# Altium PCB PCB2.PcbDoc (part 2 of 2)
Units mm, origin at the board's own origin, x right, y up, seen from the top; angles counter-clockwise.
Board outline 426.42 x 149.73 mm, 2 copper layers (Top Layer, Bottom Layer); 144 components, 61 nets, 325 pads, 1550 vias.
Unrouted connection lines stored in the file: 2.
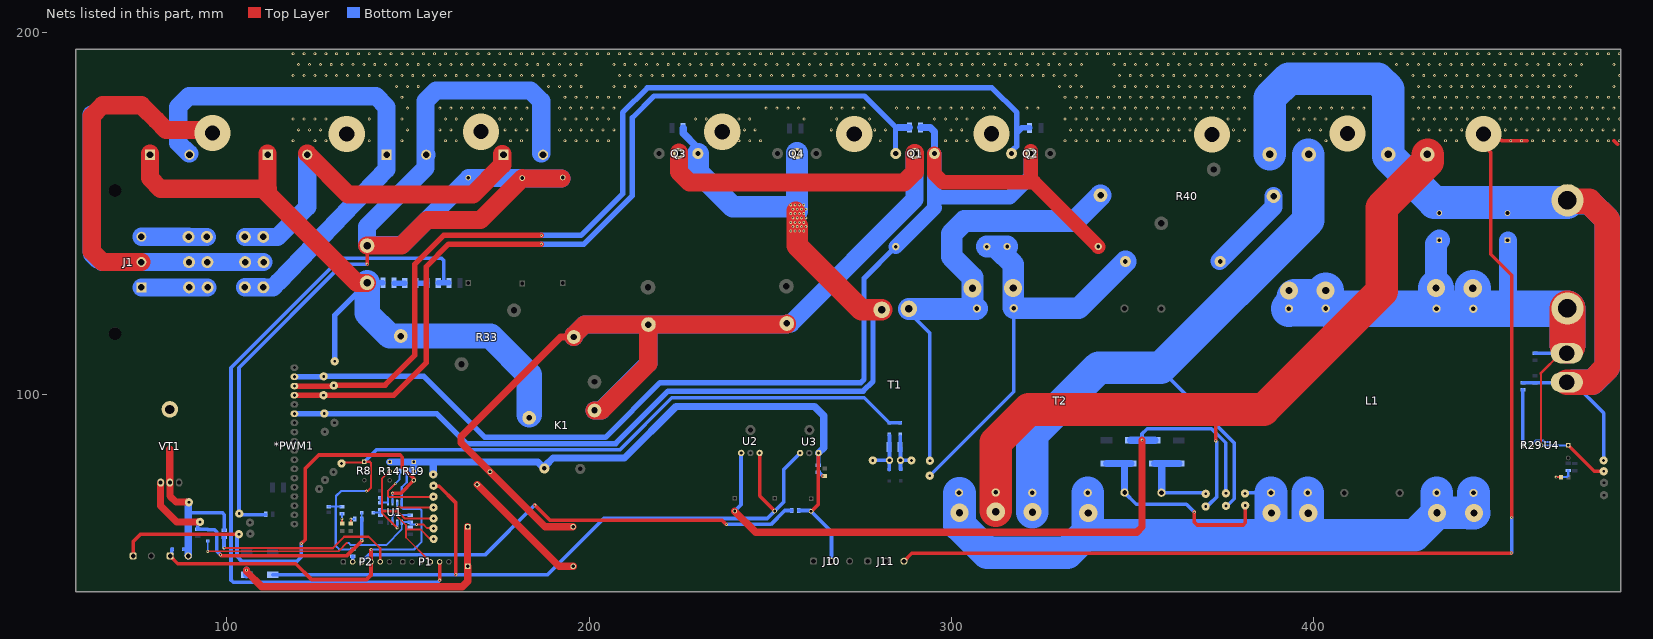
[diagram p2: the nets of this part, all layers, seen from the top]

## Via types
v1: diameter 0.8, hole 0.4, Top Layer to Bottom Layer, tented both sides, 1515 vias
v2: diameter 5, hole 2, Top Layer to Bottom Layer, 14 vias
v3: diameter 10, hole 4.2, Top Layer to Bottom Layer, 9 vias
v4: diameter 6, hole 4.2, Top Layer to Bottom Layer, 8 vias
v5: diameter 4, hole 3, Top Layer to Bottom Layer, tented both sides, 4 vias

## Nets (pads, with @x,y where several pads share a name; then routed paths per layer and width w, separated by ;. In a path a pad name is that pad's centre, name@x,y a point inside that pad or via, vN(x,y) a via of type N, cw(c..) or ccw(c..) an arc to the next point about the centre after c; other vN are vias at no path point) (continued)
Net*PWM1_13: *PWM1.13 Q3.3 Q4.2 R9.1 T1.1 TP11.1 | length 292.3
  Top Layer w5: 256.972,147.105 256.972,150.105 256.972,150.822
  Top Layer w6: v1@257.429,146.648 257.429,141.097 275.082,123.444 T1.1@280.695,123.444
  Bottom Layer w1.5: *PWM1.13@118.618,94.793 126.873,94.793 157.861,94.793 166.136,86.518 207.295,86.518 221.767,100.99 275.59,100.99 278.308,103.708 278.308,121.029 280.695,123.417 T1.1@280.695,123.444
  Bottom Layer w2: R9.1@225.909,173.584 225.909,172.16 229.535,168.534 229.535,168.439 229.771,168.203 229.771,167.058 230.027,166.802 Q3.3@230.251,166.802
  Bottom Layer w4: v1@256.793,150.105 257.327,150.64
  Bottom Layer w6: Q3.3@229.997,166.548 229.997,161.519 239.624,151.892 256.793,151.892 ; 257.327,150.64 Q4.2@257.327,166.802
  other v1: 255.6,145.2 256.8,145.2 258,145.2 259.2,145.2 256.2,146.4 257.4,146.4 258.6,146.4 259.8,146.4 255.6,147.6 256.8,147.6 258,147.6 259.2,147.6 256.2,148.8 257.4,148.8 258.6,148.8 259.8,148.8 255.6,150 256.8,150 258,150 259.2,150 256.2,151.2 257.4,151.2 258.6,151.2 259.8,151.2 255.6,152.4 256.8,152.4 258,152.4 259.2,152.4
Net*PWM1_15: *PWM1.15 Q1.1 R4.2 TP1.1 | length 242.3
  Top Layer w1.5: *PWM1.15@118.618,99.873 TP1.1@127.025,99.873 ; TP1.1@126.67,99.873 146.05,99.873 155.042,108.864 155.042,135.407 161.214,141.58 v1(186.766,141.58)
  Bottom Layer w1.5: v1(186.766,141.58) 198.501,141.58 211.887,154.965 211.887,176.454 217.888,182.455 275.939,182.455 284.516,173.877 Q1.1@284.516,166.787
  Bottom Layer w2: 285.242,173.761 R4.2@288.34,173.761
Net*PWM1_16: *PWM1.16 Q2.1 R7.2 TP2.1 | length 279.7
  Top Layer w1.5: *PWM1.16@118.618,102.413 TP2.1@129.438,102.413 ; TP2.1@129.515,102.54 129.665,102.69 143.66,102.69 151.816,110.846 151.816,136.017 159.791,143.993 v1@186.741,143.993
  Bottom Layer w1.5: v1(186.766,143.967) 197.701,143.967 209.194,155.461 209.194,177.898 216.005,184.709 311.15,184.709 318.008,177.851 318.008,172.288 ; Q2.1@316.992,166.7 316.992,167.627 318.008,168.643 318.008,172.288 ; R7.2@321.515,173.663 319.383,173.663 318.008,172.288
Net*PWM1_17: *PWM1.17 C10.2 C13.2 Q1.3 Q2.2 R4.1 TP7.1 | length 357.2
  Top Layer w4: Q1.3@295.25,166.573 295.25,160.966 297.593,158.623 322.758,158.623 ; Q2.2@321.894,167.208 321.894,159.487 C10.2@340.462,140.919
  Bottom Layer w1.5: *PWM1.17@118.618,104.953 TP7.1@126.695,104.953 ; TP7.1@126.695,105.08 154.381,105.08 171.189,88.272 204.477,88.272 219.583,103.378 274.94,103.378 275.819,104.257 275.819,132.131 C13.2@284.582,140.894 ; 295.25,151.693 294.746,151.189 294.746,151.058 295.315,151.627 295.935,152.248
  Bottom Layer w2: R4.1@291.441,173.761 294.103,173.761 295.275,172.59 Q1.3@295.275,166.75
  Bottom Layer w4: C13.2@284.582,140.894 295.315,151.627 ; 295.25,151.693 295.25,154.534 Q1.3@295.25,166.573 ; 295.25,154.33 295.453,154.534 316.078,154.534 321.894,160.35 Q2.2@321.894,166.573
NetC1_1: C1.1 D1.1 D2.1 K1.2 R12.2 R33.1 TP6.1 | length 190.2
  Top Layer w5: D1.1@78.765,166.624 D1.1@78.765,166.243 78.765,159.774 81.694,156.845 111.37,156.845 ; 109.931,156.845 135.89,130.886 C1.1@138.684,130.886 ; 111.253,157.504 D2.1@111.253,166.243 D2.1@111.253,166.599
  Bottom Layer w1.5: TP6.1@129.743,109.245 129.743,121.945 C1.1@138.684,130.886 R12.2@143.052,130.886
  Bottom Layer w7: C1.1@138.684,130.886 138.684,122.453 144.932,116.205 R33.1@147.98,116.205 172.745,116.205 183.413,105.537 K1.2@183.413,94.513
NetC1_2: C1.2 D3.3 D4.3 R1.1 R2.2 R3.2 R26.2 TP12.1 | length 316.9
  Top Layer w1: C1.2@138.684,141.173 138.709,141.148 v1(138.709,136.068)
  Top Layer w5: C1.2@138.684,141.173 148.184,141.173 155.245,148.234 170.002,148.234 R3.2@181.56,159.792 ; R3.2@181.611,159.664 R2.2@192.353,159.664
  Bottom Layer w1: R1.1@110.683,66.929 103.918,66.929 103.333,67.515 103.333,107.473 131.928,136.068 v1(138.709,136.068)
  Bottom Layer w5: D3.3@154.813,166.789 154.813,181.043 157.742,183.972 183.811,183.972 186.74,181.043 D4.3@186.74,166.6 ; D3.3@155.003,166.243 154.788,166.028 154.788,162.585 138.684,146.482 138.684,141.351 148.26,141.351 R26.2@166.624,159.715 ; R26.2@166.751,159.818 R3.2@181.458,159.818 ; R3.2@181.611,159.664 R2.2@192.353,159.664
NetC2_1: C2.1 C6.1 C14.1 CN1.2 CN3.2 L1.1 L1.2 L1.3 L1.4 R29.3 R32.1 TP19.1 U4.3 | length 210.4
  Top Layer w0.6: R29.3@462.661,86.03 462.661,105.74 462.534,105.867 468.122,111.455 CN3.2@469.773,111.455
  Top Layer w1: C6.1@470.154,86.055 477.342,78.867 TP19.1@479.958,78.867
  Top Layer w10: CN3.2@469.942,113.64 CN1.2@469.942,123.75
  Bottom Layer w0.6: R29.3@462.661,86.03 462.674,86.042 470.141,86.042 C6.1@470.154,86.055
  Bottom Layer w1: R32.1@461.01,111.44 461.018,111.447 469.765,111.447 CN3.2@469.773,111.455 ; C6.1@470.154,86.055 C6.1@470.167,86.068
  Bottom Layer w5: L1.3@433.807,123.774 L1.3@434.491,124.459 ; 453.517,123.774 C2.1@453.517,142.554
  Bottom Layer w6: v2(433.652,129.44) 433.652,141.713 C14.1@434.594,142.656
  Bottom Layer w10: L1.1@393.09,123.774 393.141,123.825 L1.2@403.25,123.825 v2@403.25,128.727 ; v2@394.613,126.921 400.124,126.921 ; L1.2@403.25,123.774 L1.3@433.807,123.774 L1.4@443.812,123.774 ; L1.3@433.652,123.929 v2(433.652,129.44) ; v2(443.812,129.389) 443.812,123.878 L1.4@443.967,123.723 ; L1.4@443.967,123.774 453.517,123.774 CN1.2@469.849,123.774 ; CN3.2@469.951,113.716 CN1.2@469.951,123.825
  other v2: 403.225,128.753 393.141,128.803
NetC2_2: C2.2 C14.2 CN1.1 CN3.1 R27.2 R30.2 TP8.1 VD1.1 VD2.1 | length 303.2
  Top Layer w1: CN3.1@471.424,101.803 CN3.1@469.773,103.454 472.491,103.454 474.644,101.301
  Top Layer w7: CN3.1@469.773,103.505 476.848,103.505 480.949,107.606 480.949,148.367 475.956,153.359 CN1.1@470.312,153.359
  Bottom Layer w1: R27.2@457.657,103.321 460.745,103.321 460.785,103.282 469.601,103.282 CN3.1@469.773,103.454 471.424,103.454 479.933,94.945 TP8.1@479.933,81.89 ; 458.927,149.108 459.127,149.108
  Bottom Layer w5: VD2.1@420.472,165.837 VD2.1@420.472,166.344 VD2.1@420.472,167.335
  Bottom Layer w7: CN1.1@470.312,153.308 475.956,153.308 480.949,148.316 480.949,107.555 476.848,103.454 CN3.1@471.424,103.454
  Bottom Layer w9: VD1.1@387.756,166.345 387.756,181.951 393.028,187.223 417.543,187.223 420.472,184.294 VD2.1@420.472,167.335 ; VD2.1@420.472,165.837 433.232,153.077 CN1.1@469.951,153.077
NetC3_2: C3.2 D12.1 D15.1 TP27.1 U2.1 | length 203.9
  Top Layer w2: C3.2@240.105,67.87 245.923,62.052 351.101,62.052 352.552,63.503 v1(352.552,87.478)
  Bottom Layer w1: C3.2@240.157,67.922 241.884,69.649 241.884,83.896 U2.1@241.935,83.947 ; v1(352.552,87.478) 352.552,89.227 353.978,90.653 371.704,90.653 375.615,86.741 375.615,72.873 TP27.1@375.691,72.796
  Bottom Layer w2: D12.1@349.428,87.436 349.469,87.478 v1(352.552,87.478) 356.016,87.478 D15.1@356.057,87.436
NetC4_2: C4.2 D11.2 TP28.1 U2.3 U3.1 | length 210.4
  Top Layer w1: TP28.1@157.023,74.905 157.193,74.734 158.59,74.734 163.195,70.129 v1(163.195,50.368) ; U2.3@247.015,83.947 247.015,72.085 C4.2@251.181,67.92
  Bottom Layer w1: D11.2@112.649,50.313 163.195,50.313 188.463,50.313 204.013,65.862 249.123,65.862 C4.2@251.181,67.92 253.644,70.383 253.644,79.375 U3.1@258.191,83.922
NetC5_2: C5.2 D9.2 J2.1 J10.2 K1.3 P2.4 R14.1 R18.2 R19.1 R19.2 R24.2 R39.2 TP26.1 U1.8 U3.3 | length 295.1
  Top Layer w1: J2.1@84.328,55.533 86.469,53.392 118.998,53.392 123.368,49.022 138.532,49.022 139.776,50.267 P2.4@139.776,53.873 139.776,57.252 v1(139.802,57.277) ; C5.2@261.214,67.733 261.214,67.781 261.406,67.974 261.454,67.974 263.217,69.736 263.217,83.867 U3.3@263.271,83.922
  Bottom Layer w0.6: v1(139.802,57.277) 151.613,57.277 153.67,59.334 153.67,68.156 153.319,68.508 148.611,68.508 148.26,68.859 U1.8@148.26,70.264 148.26,74.473 149.616,75.829 R18.2@149.616,78.969
  Bottom Layer w1: J2.1@84.328,55.533 84.803,56.008 84.803,57.295 D9.2@84.912,57.404 ; R39.2@257.869,68.055 260.939,68.055 261.146,67.849 C5.2@261.214,67.849 266.856,62.206 J10.2@266.856,54.077 ; R24.2@263.271,80.574 U3.3@263.271,83.922
  Bottom Layer w2: R14.1@144.902,81.458 R19.1@151.587,81.458 ; R18.2@149.616,78.969 151.536,78.969 R19.2@151.587,78.918 ; R19.2@151.587,78.969 R19.1@151.587,81.458 ; TP26.1@156.947,78.029 156.947,81.458 ; U3.3@263.271,83.922 264.693,85.344 264.693,94.205 262.099,96.799 223.977,96.799 209.728,82.55 190.017,82.55 188.001,80.534 188.001,80.292 187.627,79.917 187.323,79.917 185.782,81.458 156.947,81.458 ; R19.1@151.587,81.458 156.947,81.458
NetC7_1: C7.1 D6.2 D8.2 R8.1 R37.2 R38.2 TP15.1 | length 205.9
  Top Layer w0.6: TP15.1@131.648,81.051 131.928,81.331 137.77,81.331 R8.1@137.947,81.509 139.425,81.509 139.776,81.157 139.776,74.32 138.9,73.444 138.519,73.444 v1(138.481,73.406)
  Bottom Layer w0.6: C7.1@128.092,69.156 130.116,69.156 ; 130.497,69.156 130.116,69.156 ; 130.581,69.156 R38.2@131.35,69.156 ; R37.2@134.722,57.338 130.984,57.338 130.048,58.273 130.048,69.088 130.116,69.156 ; v1(138.481,73.406) 131.47,73.406 130.116,72.052 130.116,69.156
  Bottom Layer w1: R8.1@137.947,81.509 141.224,84.785 208.407,84.785 222.783,99.162 275.92,99.162 D6.2@282.804,92.278 D8.2@285.775,92.278
NetC9_1: C9.1 R34.2 | length 35.8
  Top Layer w2: C9.1@169.062,75.235 191.643,52.654 R34.2@195.555,52.654
NetC10_1: C10.1 C11.2 C13.1 T2.2 TP18.1 | length 115.6
  Bottom Layer w1: TP18.1@293.954,77.673 317.144,100.863 T2.2@317.144,123.876
  Bottom Layer w4: 312.395,140.919 312.623,140.919
  Bottom Layer w6: C13.1@309.728,140.894 312.318,140.894 ; 312.623,140.335 316.992,135.966 v2(316.992,129.438) T2.2@316.992,124.028 ; 312.623,140.919 C10.1@315.316,140.919 ; T2.2@317.144,123.876 335.051,123.876 C11.2@347.955,136.779
NetC11_1: C11.1 R40.2 | length 24
  Bottom Layer w5: C11.1@373.939,136.957 388.849,151.867 R40.2@388.849,154.813
NetD1_3: D1.3 D3.1 J5.1 | length 144.4
  Bottom Layer w5: D1.3@89.685,166.624 89.492,166.624 86.563,169.553 86.563,179.468 89.492,182.397 141.154,182.397 144.083,179.468 144.083,162.218 114.206,131.133 114.171,131.098 ; J5.1@104.978,129.667 J5.1@110.058,129.667 110.132,129.634 110.635,129.634 112.707,129.634 114.171,131.098
NetD2_3: D2.3 D4.1 J4.1 | length 100
  Top Layer w5: D2.3@122.173,166.599 133.476,155.296 167.869,155.296 175.971,163.398 D4.1@175.971,166.473
  Bottom Layer w5: J4.1@104.953,143.561 113.944,143.561 122.173,151.789 D2.3@122.173,166.243
NetD5_2: D5.2 D6.1 R6.2 T1.3 TP14.1 | length 14.2
  Bottom Layer w1: TP14.1@278.257,81.89 T1.3@282.829,81.89 ; D5.2@282.829,79.35 T1.3@282.829,81.89 ; D6.1@282.854,88.875 T1.3@282.854,81.915 ; T1.3@282.829,81.89 282.854,81.89 T1.3@282.854,81.915 ; T1.3@282.829,81.89 T1.3@282.854,81.915
NetD7_2: D7.2 D8.1 R6.1 T1.4 TP16.1 | length 12.1
  Bottom Layer w1: 285.802,88.518 R6.1@285.802,85.547 285.902,85.447 T1.4@285.902,81.89 ; D7.2@285.902,79.451 T1.4@285.902,81.89 ; TP16.1@288.9,81.89 T1.4@285.902,81.89
NetD9_1: D9.1 J2.2 R36.1 TP35.1 VT1.D | length 49.4
  Top Layer w1: 84.252,84.963 84.328,85.039
  Top Layer w2: 84.252,84.963 VT1.D@84.252,75.768 84.292,75.728 84.292,74.733 84.303,74.722 84.303,72.034 85.95,70.387 89.455,70.387 TP35.1@89.51,70.333
  Bottom Layer w1: D9.1@88.062,57.404 89.306,57.404 89.328,57.382 ; 89.332,64.795 89.357,64.77 ; 89.51,67.488 98.652,67.488 99.238,66.902 R36.1@99.238,62.595
  Bottom Layer w2: J2.2@89.328,55.533 89.328,64.741 ; 89.332,64.795 89.332,70.077 89.51,70.255 TP35.1@89.51,70.333
NetD10_1: D10.1 R11.1 R22.2 TP32.1 U1.1 | length 71.4
  Top Layer w0.5: v1(94.717,56.769) 94.767,56.82 130.81,56.82 133.121,59.131 ; v1(152.324,64.237) 154.127,64.237 155.13,63.234 156.908,63.234 TP32.1@157.023,63.119
  Bottom Layer w0.5: v1(94.717,56.769) 94.729,56.782 94.729,59.626 D10.1@94.742,59.639 ; 133.121,59.131 133.605,59.131 134.214,58.522 143.942,58.522 148.26,62.84 U1.1@148.26,64.864 U1.1@148.26,64.864 150.57,64.863 R11.1@150.571,64.862 150.571,64.16 150.647,64.237 v1(152.324,64.237)
NetD10_2: D10.2 D14.2 R15.2 R25.2 TP34.1 VT1.G | length 82.3
  Top Layer w1: TP34.1@92.583,64.574 TP34.1@92.583,64.922 ; v1(98.235,55.816) 98.428,55.623 133.17,55.623 v1(137.262,59.715)
  Top Layer w2: VT1.G@81.712,75.768 81.686,75.743 81.686,69.342 86.106,64.922 TP34.1@92.583,64.922
  Bottom Layer w0.5: R25.2@137.211,65.799 D14.2@137.211,67.462
  Bottom Layer w1: TP34.1@91.897,64.77 91.91,64.757 91.91,62.913 R15.2@91.923,62.9 94.631,62.9 D10.2@94.742,62.789 96.571,62.789 97.231,62.128 97.231,56.82 v1(98.235,55.816) ; R25.2@137.195,65.735 137.195,59.782 v1(137.262,59.715)
NetD12_2: D12.2 D13.1 T2.7 TP25.1 | length 58.4
  Top Layer w1: v1(366.979,67.64) 366.979,64.872 367.792,64.059 380.44,64.059 381.025,64.645 TP25.1@381.025,69.469
  Bottom Layer w1: T2.7@347.726,73.025 350.928,69.823 364.796,69.823 v1(366.979,67.64)
  Bottom Layer w2: D13.1@342.748,81.026 347.726,81.026 ; T2.7@347.726,73.025 347.726,81.026 ; D12.2@349.428,81.026 347.726,81.026
NetD14_1: D14.1 R20.1 R23.2 TP37.1 U1.7 | length 20
  Top Layer w0.5: v1(147.015,68.809) 147.091,68.885 TP37.1@156.997,68.885
  Bottom Layer w0.5: D14.1@140.561,67.539 142.367,67.539 ; R23.2@142.367,66.786 142.367,67.539 ; U1.7@146.99,70.264 146.99,68.416 146.697,68.123 142.535,68.123 R20.1@142.367,68.291 142.367,67.539
NetD15_2: D15.2 D16.1 T2.8 TP29.1 | length 27
  Bottom Layer w1: T2.8@357.911,72.974 368.915,72.974 368.973,72.915 369.883,72.915 TP29.1@370.129,72.669
  Bottom Layer w2: D15.2@356.057,81.026 356.07,81.013 357.966,81.013 ; T2.8@357.966,73.029 357.966,81.013 ; D16.1@362.737,81.001 362.725,81.013 357.966,81.013
NetD17_1: D17.1 R24.1 | length 2.3
  Top Layer w1: v1(264.471,77.588) D17.1@265.024,77.588
  Bottom Layer w1: R24.1@263.22,78.654 263.42,78.654 264.471,77.603 v1(264.471,77.588)
NetD18_1: D18.1 R25.1 | length 2.2
  Top Layer w0.5: D18.1@134.214,64.499 134.218,64.504 134.218,65.689 v1(134.223,65.694)
  Bottom Layer w0.5: v1(134.223,65.694) 134.244,65.715 135.225,65.715 R25.1@135.245,65.735
NetD19_1: D19.1 R31.1 | length 6.3
  Top Layer w0.6: v1(466.801,77.292) 466.814,77.279 468.177,77.279 D19.1@468.19,77.267
  Bottom Layer w0.6: v1@466.855,77.292 469.803,77.292 470.154,77.644 R31.1@470.154,79.101
NetD20_2: D20.2 R34.1 R35.1 | length 80.1
  Top Layer w2: v1@105.435,51.638 105.435,51.205 109.645,46.996 164.924,46.996 166.445,48.517 R34.1@166.445,52.654 ; R34.1@166.419,52.68 R35.1@166.419,63.576
  Bottom Layer w2: D20.2@105.41,50.338 v1(105.41,51.562)
NetD21_1: D21.1 R38.1 | length 2.7
  Top Layer w0.6: v1(131.745,65.761) 131.773,65.733 131.773,64.552 D21.1@131.801,64.525
  Bottom Layer w0.6: v1(131.745,65.761) 131.76,65.776 131.76,67.184 R38.1@131.775,67.199
NetJ1_1: J1.1 J8.1 | length 18.3
  Bottom Layer w5: J1.1@76.397,129.627 J8.1@89.571,129.627 ; J8.1@89.586,129.642 J8.1@94.666,129.642
NetJ1_3: J1.3 J7.1 | length 18
  Bottom Layer w5: J1.3@76.397,143.627 J7.1@89.342,143.627 ; J7.1@89.408,143.561 J7.1@94.488,143.561
NetJ3_1: J3.1 R19.3 TP39.1 U1.6 | length 130.6
  Top Layer w1: J3.1@74.132,55.533 74.132,59.498 76.153,61.519 TP39.1@103.302,61.519 TP39.1@103.556,61.519 ; v1(120.545,58.971) 121.59,60.015 121.59,79.653 125.316,83.379 147.826,83.379 148.412,82.793 148.412,80.035 151.549,76.899 151.549,76.416 R19.3@151.587,76.378 148.082,72.873 v1(145.72,72.873)
  Bottom Layer w0.6: U1.6@145.72,70.264 v1(145.72,72.873)
  Bottom Layer w1: TP39.1@103.302,61.519 103.302,61.171 102.768,60.637 102.768,55.399 104.192,53.975 119.278,53.975 120.545,55.242 v1(120.545,58.971)
NetL1_5: L1.5 L1.6 L1.7 L1.8 T2.5 T2.10 TP22.1 | length 211.3
  Bottom Layer w1: TP22.1@380.949,72.771 381.127,72.949 L1.5@388.137,72.949
  Bottom Layer w9: T2.5@302.184,72.847 302.184,64.059 309.804,56.439 331.953,56.439 336.652,61.138 337.541,61.138 ; T2.10@337.541,72.949 337.541,62.001 337.583,61.959 ; 337.545,61.195 388.087,61.195 ; L1.5@388.137,72.949 388.137,61.246 388.087,61.195 ; 398.272,61.493 L1.6@398.272,73 ; L1.7@433.832,72.974 433.832,67.564 v2(433.984,67.412) ; L1.8@444.017,72.923 444.017,67.513 v2(444.17,67.361) 442.697,67.361 442.646,67.412 v2(433.984,67.412) ; 388.087,61.195 427.768,61.195 v2(433.984,67.412)
  other v2: 398.427,67.334 337.693,67.386 388.29,67.386 302.184,67.437
NetP1_4: P1.4 R11.2 TP33.1 U1.3 | length 32.5
  Top Layer w0.5: v1(146.66,66.802) 149.428,64.033 149.428,62.941 ; P1.4@156.159,53.873 149.428,60.604 149.428,62.941 ; TP33.1@157.353,60.249 157.137,60.465 155.892,60.465 153.543,62.814 149.555,62.814 149.428,62.941
  Bottom Layer w0.5: U1.3@145.72,64.864 145.72,66.519 146.013,66.812 R11.2@150.571,66.812
NetP1_5: P1.5 R16.1 R17.2 | length 202.3
  Top Layer w1: P1.5@158.699,53.873 158.699,48.895 v1(158.75,48.844)
  Bottom Layer w1: R16.1@158.319,130.886 R16.1@158.332,130.874 ; v1(158.75,48.844) 158.191,48.285 101.729,48.285 101.143,48.871 101.143,107.442 131.372,137.671 159.231,137.671 159.817,137.086 159.817,130.861
  Bottom Layer w1.5: R16.1@158.332,130.874 159.182,130.874 ; 159.182,130.861 160.302,130.861 R17.2@161.265,130.861
NetP2_2: P2.2 R37.1 | length 1.5
  Bottom Layer w1: P2.2@134.722,53.899 R37.1@134.722,55.388
NetP2_3: P2.3 R39.1 | length 129
  Top Layer w1: v1(184.988,69.571) 189.229,65.33 236.717,65.33 v1(237.82,64.227)
  Bottom Layer w1: P2.3@137.236,53.873 139.171,55.808 171.226,55.808 v1(184.988,69.571) ; v1(237.82,64.227) 250.13,64.227 253.958,68.055 R39.1@255.894,68.055
NetP2_5: P2.5 R36.2 | length 52.4
  Top Layer w0.6: v1(99.212,57.76) 114.187,57.76 114.289,57.658 129.21,57.658 132.385,60.833 139.116,60.833 142.316,57.633 P2.5@142.316,53.873
  Bottom Layer w1: v1(99.212,57.76) 99.212,60.62 R36.2@99.238,60.645
NetR12_1: R12.1 R13.2 | length 2.9
  Bottom Layer w1.5: R12.1@146.23,130.835 146.243,130.823 149.06,130.823 R13.2@149.073,130.81
NetR13_1: R13.1 R16.2 | length 3.1
  Bottom Layer w1.5: R13.1@152.174,130.81 155.171,130.81 155.218,130.858 R16.2@155.218,130.886
NetR14_2: R14.2 TP36.1 U1.2 | length 35
  Top Layer w0.6: R14.2@144.902,78.918 142.773,76.789 142.773,67.843 ; v1(146.99,63.246) 142.773,67.462 142.773,67.843 ; TP36.1@157.048,65.837 149.047,65.837 147.041,67.843 142.773,67.843
  Bottom Layer w0.6: v1(146.99,63.246) U1.2@146.99,64.864
NetR18_1: R18.1 R20.2 R21.2 TP38.1 U1.5 | length 30.4
  Top Layer w0.5: v1(146.448,75.455) 144.424,73.431 144.424,72.124 144.717,71.831 156.947,71.831 TP38.1@156.997,71.882
  Bottom Layer w0.5: R21.2@142.367,71.618 R20.2@142.367,70.241 142.379,70.252 144.438,70.252 U1.5@144.45,70.264 144.45,73.457 147.666,76.673 R18.1@147.666,78.969
NetR27_1: R27.1 R29.1 | length 15.7
  Bottom Layer w1: R27.1@457.657,101.371 457.606,101.371 457.581,101.346 R29.1@457.581,86.03 R29.1@457.784,86.233
NetR29_2: R29.2 U4.2 | length 5.5
  Bottom Layer w0.6: R29.2@460.121,86.03 460.121,86.192 460.421,86.492 460.421,86.609 461.188,87.376 463.296,87.376 463.692,86.98 U4.2@464.784,86.98
NetR40_1: R40.1 T1.2 T2.1 TP23.1 | length 132.3
  Bottom Layer w1: T1.2@287.376,123.673 289.219,121.829 294.005,117.043 TP23.1@294.005,81.697
  Bottom Layer w6: T1.2@288.188,123.698 T2.1@306.857,123.698 ; T2.1@306.984,123.825 305.74,125.07 v2(305.74,129.388) 305.74,132.436 300.025,138.151 300.025,144.415 303.54,147.93 333.959,147.93 R40.1@341.097,155.067
NetT2_6: T2.6 TP31.1 VD2.2 | length 214.2
  Top Layer w1: v1(372.897,87.274) 372.897,95.453 373.38,95.936
  Top Layer w9: v2@312.166,67.945 T2.6@312.166,73.05 312.166,86.817 321.285,95.936 373.38,95.936 386.08,95.936 418.668,128.524 418.668,151.638 431.419,164.389 VD2.2@431.419,166.192
  Bottom Layer w1: TP31.1@370.103,69.19 370.451,69.19 371.094,69.833 371.178,69.833 373.151,71.806 373.151,87.02 v1(372.897,87.274)
  other v2: 312.191,67.716
NetT2_9: T2.9 TP30.1 VD1.2 | length 189
  Top Layer w1: TP30.1@375.471,69.096 TP30.1@375.717,69.342
  Bottom Layer w1: 359.131,108.864 359.131,105.588 378.003,86.716 378.003,71.298 376.047,69.342 TP30.1@375.717,69.342
  Bottom Layer w9: v2@322.275,67.615 T2.9@322.275,72.949 322.275,89.179 340.589,107.493 357.759,107.493 398.399,148.133 VD1.2@398.399,166.192
  other v2: 322.301,67.615
PE: J1.2 J6.1 J9.1 J11.3 | length 472.3
  Top Layer w1: J11.3@286.86,54.077 289.023,56.24 454.359,56.24 v1(454.457,56.337) ; v1(454.558,66.167) 454.558,132.969 448.767,138.76 448.767,166.898 448.533,167.131 448.533,169.872 448.923,170.261 451.741,170.261 451.897,170.105 452.793,170.105 455.793,170.105 458.793,170.105 ; 482.793,170.105 483.787,169.111
  Top Layer w5: J1.2@76.397,136.627 70.293,136.627 65.642,136.627 62.713,139.556 62.713,155.105 62.713,170.105 62.713,176.979 65.642,179.908 68.793,179.908 73.293,179.908 76.404,179.908 76.75,179.562 80.5,175.812 83.207,173.105 95.205,173.105 v3(96.039,172.27)
  Bottom Layer w1: v1(454.457,56.337) 454.558,56.439 v1(454.558,66.167)
  Bottom Layer w5: 62.611,139.556 62.611,146.105 62.611,155.105 62.611,158.105 62.611,170.105 62.611,177.356 ; 62.793,140.105 62.793,138.832 64.293,137.332 ; 65.54,136.627 70.293,136.627 J1.2@76.397,136.627 J6.1@89.535,136.627 J6.1@94.615,136.627 J9.1@105.029,136.627 J9.1@110.109,136.627
  other v1: 118.293,170.105 124.293,170.105 127.293,170.105 139.293,170.105 148.293,170.105 160.293,170.105 163.293,170.105 178.293,170.105 181.293,170.105 193.293,170.105 196.293,170.105 199.293,170.105 202.293,170.105 205.293,170.105 241.293,170.105 244.293,170.105 247.293,170.105 280.293,170.105 298.293,170.105 301.293,170.105 304.293,170.105 331.293,170.105 334.293,170.105 337.293,170.105 340.293,170.105 343.293,170.105 346.293,170.105 349.293,170.105 352.293,170.105 355.293,170.105 358.293,170.105 361.293,170.105 364.293,170.105 379.293,170.105 403.293,170.105 436.293,170.105 439.293,170.105 454.293,170.105 457.293,170.105 460.293,170.105 463.293,170.105 466.293,170.105 469.293,170.105 472.293,170.105 475.293,170.105 478.293,170.105 481.293,170.105 484.293,170.105 119.793,173.105 122.793,173.105 125.793,173.105 149.793,173.105 158.793,173.105 161.793,173.105 176.793,173.105 179.793,173.105 182.793,173.105 191.793,173.105 194.793,173.105 197.793,173.105 200.793,173.105 203.793,173.105 206.793,173.105 242.793,173.105 245.793,173.105 266.793,173.105 278.793,173.105 281.793,173.105 299.793,173.105 302.793,173.105 332.793,173.105 335.793,173.105 338.793,173.105 341.793,173.105 344.793,173.105 347.793,173.105 350.793,173.105 353.793,173.105 356.793,173.105 359.793,173.105 362.793,173.105 365.793,173.105 377.793,173.105 380.793,173.105 395.793,173.105 398.793,173.105 401.793,173.105 428.793,173.105 431.793,173.105 434.793,173.105 437.793,173.105 440.793,173.105 452.793,173.105 455.793,173.105 458.793,173.105 461.793,173.105 464.793,173.105 467.793,173.105 470.793,173.105 473.793,173.105 476.793,173.105 479.793,173.105 482.793,173.105 118.293,176.105 121.293,176.105 124.293,176.105 127.293,176.105 139.293,176.105 148.293,176.105 160.293,176.105 163.293,176.105 175.293,176.105 178.293,176.105 181.293,176.105 193.293,176.105 196.293,176.105 199.293,176.105 202.293,176.105 205.293,176.105 229.293,176.105 232.293,176.105 241.293,176.105 244.293,176.105 259.293,176.105 268.293,176.105 277.293,176.105 295.293,176.105 298.293,176.105 301.293,176.105 304.293,176.105 331.293,176.105 334.293,176.105 337.293,176.105 340.293,176.105 343.293,176.105 346.293,176.105 349.293,176.105 352.293,176.105 355.293,176.105 358.293,176.105 361.293,176.105 364.293,176.105 367.293,176.105 376.293,176.105 379.293,176.105 394.293,176.105 397.293,176.105 400.293,176.105 403.293,176.105 427.293,176.105 430.293,176.105 433.293,176.105 436.293,176.105 439.293,176.105 442.293,176.105 451.293,176.105 454.293,176.105 457.293,176.105 460.293,176.105 463.293,176.105 466.293,176.105 469.293,176.105 472.293,176.105 475.293,176.105 478.293,176.105 481.293,176.105 484.293,176.105 149.793,179.105 158.793,179.105 161.793,179.105 164.793,179.105 167.793,179.105 170.793,179.105 173.793,179.105 176.793,179.105 179.793,179.105 182.793,179.105 191.793,179.105 194.793,179.105 197.793,179.105 200.793,179.105 203.793,179.105 206.793,179.105 248.793,179.105 251.793,179.105 254.793,179.105 257.793,179.105 266.793,179.105 269.793,179.105 272.793,179.105 275.793,179.105 284.793,179.105 287.793,179.105 290.793,179.105 293.793,179.105 296.793,179.105 299.793,179.105 302.793,179.105 305.793,179.105 308.793,179.105 311.793,179.105 320.793,179.105 323.793,179.105 332.793,179.105 335.793,179.105 338.793,179.105 341.793,179.105 344.793,179.105 347.793,179.105 350.793,179.105 353.793,179.105 356.793,179.105 359.793,179.105 362.793,179.105 365.793,179.105 368.793,179.105 371.793,179.105 374.793,179.105 377.793,179.105 380.793,179.105 395.793,179.105 398.793,179.105 401.793,179.105 404.793,179.105 407.793,179.105 410.793,179.105 413.793,179.105 428.793,179.105 431.793,179.105 434.793,179.105 437.793,179.105 440.793,179.105 443.793,179.105 446.793,179.105 449.793,179.105 452.793,179.105 455.793,179.105 458.793,179.105 461.793,179.105 464.793,179.105 467.793,179.105 470.793,179.105 473.793,179.105 476.793,179.105 479.793,179.105 482.793,179.105 148.293,182.105 193.293,182.105 196.293,182.105 199.293,182.105 202.293,182.105 205.293,182.105 208.293,182.105 331.293,182.105 334.293,182.105 337.293,182.105 340.293,182.105 343.293,182.105 346.293,182.105 349.293,182.105 352.293,182.105 355.293,182.105 358.293,182.105 361.293,182.105 364.293,182.105 367.293,182.105 370.293,182.105 373.293,182.105 376.293,182.105 379.293,182.105 427.293,182.105 430.293,182.105 433.293,182.105 436.293,182.105 439.293,182.105 442.293,182.105 445.293,182.105 448.293,182.105 451.293,182.105 454.293,182.105 457.293,182.105 460.293,182.105 463.293,182.105 466.293,182.105 469.293,182.105 472.293,182.105 475.293,182.105 478.293,182.105 481.293,182.105 484.293,182.105 146.793,185.105 149.793,185.105 152.793,185.105 188.793,185.105 191.793,185.105 194.793,185.105 197.793,185.105 206.793,185.105 209.793,185.105 212.793,185.105 329.793,185.105 332.793,185.105 335.793,185.105 344.793,185.105 347.793,185.105 350.793,185.105 353.793,185.105 356.793,185.105 359.793,185.105 362.793,185.105 365.793,185.105 368.793,185.105 371.793,185.105 374.793,185.105 377.793,185.105 380.793,185.105 428.793,185.105 431.793,185.105 434.793,185.105 437.793,185.105 440.793,185.105 443.793,185.105 446.793,185.105 449.793,185.105 452.793,185.105 455.793,185.105 458.793,185.105 461.793,185.105 464.793,185.105 467.793,185.105 470.793,185.105 482.793,185.105 118.293,188.105 121.293,188.105 124.293,188.105 127.293,188.105 130.293,188.105 133.293,188.105 136.293,188.105 139.293,188.105 142.293,188.105 145.293,188.105 148.293,188.105 151.293,188.105 154.293,188.105 157.293,188.105 160.293,188.105 163.293,188.105 166.293,188.105 169.293,188.105 172.293,188.105 175.293,188.105 178.293,188.105 181.293,188.105 184.293,188.105 187.293,188.105 190.293,188.105 193.293,188.105 196.293,188.105 208.293,188.105 211.293,188.105 214.293,188.105 217.293,188.105 220.293,188.105 223.293,188.105 226.293,188.105 229.293,188.105 232.293,188.105 235.293,188.105 238.293,188.105 241.293,188.105 244.293,188.105 247.293,188.105 250.293,188.105 253.293,188.105 256.293,188.105 259.293,188.105 262.293,188.105 265.293,188.105 268.293,188.105 271.293,188.105 274.293,188.105 277.293,188.105 280.293,188.105 283.293,188.105 286.293,188.105 289.293,188.105 292.293,188.105 295.293,188.105 298.293,188.105 301.293,188.105 304.293,188.105 307.293,188.105 310.293,188.105 313.293,188.105 316.293,188.105 319.293,188.105 322.293,188.105 325.293,188.105 328.293,188.105 331.293,188.105 334.293,188.105 346.293,188.105 349.293,188.105 352.293,188.105 355.293,188.105 358.293,188.105 361.293,188.105 364.293,188.105 367.293,188.105 370.293,188.105 373.293,188.105 376.293,188.105 379.293,188.105 382.293,188.105 385.293,188.105 427.293,188.105 430.293,188.105 433.293,188.105 436.293,188.105 439.293,188.105 442.293,188.105 445.293,188.105 448.293,188.105 451.293,188.105 454.293,188.105 457.293,188.105 460.293,188.105 463.293,188.105 466.293,188.105 469.293,188.105 472.293,188.105 484.293,188.105 119.793,191.105 122.793,191.105 125.793,191.105 128.793,191.105 131.793,191.105 134.793,191.105 137.793,191.105 140.793,191.105 143.793,191.105 146.793,191.105 149.793,191.105 152.793,191.105 155.793,191.105 158.793,191.105 161.793,191.105 164.793,191.105 167.793,191.105 170.793,191.105 173.793,191.105 176.793,191.105 179.793,191.105 182.793,191.105 185.793,191.105 188.793,191.105 191.793,191.105 194.793,191.105 197.793,191.105 206.793,191.105 209.793,191.105 212.793,191.105 215.793,191.105 218.793,191.105 221.793,191.105 224.793,191.105 227.793,191.105 230.793,191.105 233.793,191.105 236.793,191.105 239.793,191.105 242.793,191.105 245.793,191.105 248.793,191.105 251.793,191.105 254.793,191.105 257.793,191.105 260.793,191.105 263.793,191.105 266.793,191.105 269.793,191.105 272.793,191.105 275.793,191.105 278.793,191.105 281.793,191.105 284.793,191.105 287.793,191.105 290.793,191.105 293.793,191.105 296.793,191.105 299.793,191.105 302.793,191.105 305.793,191.105 308.793,191.105 311.793,191.105 314.793,191.105 317.793,191.105 320.793,191.105 323.793,191.105 326.793,191.105 329.793,191.105 332.793,191.105 335.793,191.105 344.793,191.105 347.793,191.105 350.793,191.105 353.793,191.105 356.793,191.105 359.793,191.105 362.793,191.105 365.793,191.105 368.793,191.105 371.793,191.105 374.793,191.105 377.793,191.105 380.793,191.105 383.793,191.105 386.793,191.105 422.793,191.105 425.793,191.105 428.793,191.105 431.793,191.105 434.793,191.105 437.793,191.105 440.793,191.105 443.793,191.105 446.793,191.105 449.793,191.105 452.793,191.105 455.793,191.105 458.793,191.105 461.793,191.105 464.793,191.105 467.793,191.105 470.793,191.105 473.793,191.105 482.793,191.105 118.293,194.105 121.293,194.105 124.293,194.105 127.293,194.105 130.293,194.105 133.293,194.105 136.293,194.105 139.293,194.105 142.293,194.105 145.293,194.105 148.293,194.105 151.293,194.105 154.293,194.105 157.293,194.105 160.293,194.105 163.293,194.105 166.293,194.105 169.293,194.105 172.293,194.105 175.293,194.105 178.293,194.105 181.293,194.105 184.293,194.105 187.293,194.105 190.293,194.105 193.293,194.105 196.293,194.105 199.293,194.105 202.293,194.105 205.293,194.105 208.293,194.105 211.293,194.105 214.293,194.105 217.293,194.105 220.293,194.105 223.293,194.105 226.293,194.105 229.293,194.105 232.293,194.105 235.293,194.105 238.293,194.105 241.293,194.105 244.293,194.105 247.293,194.105 250.293,194.105 253.293,194.105 256.293,194.105 259.293,194.105 262.293,194.105 265.293,194.105 268.293,194.105 271.293,194.105 274.293,194.105 277.293,194.105 280.293,194.105 283.293,194.105 286.293,194.105 289.293,194.105 292.293,194.105 295.293,194.105 298.293,194.105 301.293,194.105 304.293,194.105 307.293,194.105 310.293,194.105 313.293,194.105 316.293,194.105 319.293,194.105 322.293,194.105 325.293,194.105 328.293,194.105 331.293,194.105 334.293,194.105 337.293,194.105 340.293,194.105 343.293,194.105 346.293,194.105 349.293,194.105 352.293,194.105 355.293,194.105 358.293,194.105 361.293,194.105 364.293,194.105 367.293,194.105 370.293,194.105 373.293,194.105 376.293,194.105 379.293,194.105 382.293,194.105 385.293,194.105 388.293,194.105 391.293,194.105 394.293,194.105 397.293,194.105 400.293,194.105 403.293,194.105 406.293,194.105 409.293,194.105 412.293,194.105 415.293,194.105 418.293,194.105 421.293,194.105 424.293,194.105 427.293,194.105 430.293,194.105 433.293,194.105 436.293,194.105 439.293,194.105 442.293,194.105 445.293,194.105 448.293,194.105 451.293,194.105 454.293,194.105 457.293,194.105 460.293,194.105 463.293,194.105 466.293,194.105 469.293,194.105 472.293,194.105 475.293,194.105 478.293,194.105 481.293,194.105 484.293,194.105
  other v3: 371.881,171.831 273.152,171.958 133.045,171.983 446.811,171.983 310.972,172.06 409.219,172.11 170.101,172.62 236.677,172.618
VCC: C8.1 C9.2 C12.1 K1.1 Q1.2 Q3.2 R33.2 R35.2 | length 407.7
  Top Layer w2: R35.2@195.529,63.576 187.792,63.576 C9.2@172.598,78.77 164.6,86.768 164.6,88.425 192.126,115.951 R33.2@195.732,115.951
  Top Layer w5: R33.2@195.732,115.951 195.732,116.451 198.661,119.38 C8.1@216.332,119.38 254.508,119.38 254.533,119.405 C12.1@254.533,119.685 ; K1.1@201.447,95.682 203.403,95.682 216.276,108.555 C8.1@216.276,118.969 ; Q3.2@224.79,166.802 224.79,161.476 227.719,158.547 286.885,158.547 289.814,161.476 Q1.2@289.814,166.75
  Bottom Layer w5: R33.2@195.732,115.951 195.732,116.451 198.661,119.38 C8.1@216.332,119.38 ; K1.1@201.447,95.682 203.302,95.682 216.332,108.712 C8.1@216.332,119.38 ; C12.1@254.533,119.38 C8.1@216.332,119.38 ; C12.1@254.533,119.685 255.6,119.685 289.763,153.848 Q1.2@289.763,166.573
pads on no net: J1. K1.6 L1.9 L1.10 R33.GND R40.GND T2.3 T2.4
copper on no net:
  other v4: 65.811,51.74 202.895,51.74 340.106,51.74 477.164,51.74 65.837,187.858 202.895,187.858 340.106,187.858 477.19,187.858
  other v5: 115.291,60.452 124.612,60.554 115.138,110.922 124.587,110.998

## Polygon pours and split planes (outlines as drawn)
Net*PWM1_13 on Top Layer "NET*PWM1_13_L01_P000" (solid, pour order 0): 254.508,153.365 260.35,153.365 260.35,144.17 254.508,144.17
PE on Top Layer "PE_L01_P002" (solid, pour order 2): 71.374,134.159 71.374,168.402 484.708,168.402 484.708,195.351 58.293,195.351 58.293,134.159
GND on Top Layer "GND_L01_P011" (solid, pour order 11): 383.629,143.142 383.616,143.129 354.711,114.224 337.16,114.224 317.551,94.615 288.214,94.615 313.207,119.609 313.207,125.882 310.769,128.321 310.769,137.897 308.661,137.897 308.661,126.822 310.769,124.714 310.769,122.53 310.769,122.504 310.769,106.934 218.338,106.934 202.819,91.415 176.759,91.415 176.657,91.313 176.657,88.722 204.064,88.722 215.57,100.228 323.164,100.228 326.949,100.228 338.633,111.912 372.618,111.912 403.657,142.951 403.657,167.31 484.657,167.31 484.657,149.149 484.657,45.618 176.936,45.618 176.657,45.695 58.293,45.695 58.293,111.379 142.392,111.379 142.392,167.31 391.795,167.31 391.795,151.308
GND on Top Layer "GND_L01_P012" (solid, pour order 12): 308.855,115.529 308.855,118.609 309.194,118.948 322.326,118.948 322.326,94.488 288.054,94.488 273.431,94.488 273.431,102.54 277.8,106.909 300.334,106.909
GND on Top Layer "GND_L01_P013" (solid, pour order 13): 355.676,111.633 394.056,150.012 394.056,167.284 403.733,167.284 403.733,144.069 400.837,144.069 368.402,111.633
GND on Top Layer "GND_L01_P020" (solid, pour order 20): 215.57,100.203 219.431,104.064 274.955,104.064 274.955,106.909 277.8,106.909 277.8,100.228 277.825,100.203
Net*PWM1_13 on Bottom Layer "NET*PWM1_13_L02_P001" (solid, pour order 1): 254.508,154.127 254.559,154.127 260.325,154.127 260.325,144.431 254.492,144.431
PE on Bottom Layer "PE_L02_P003" (solid, pour order 3): 71.323,134.137 71.323,168.402 484.708,168.402 484.708,195.351 58.293,195.351 58.293,134.137
GND on Bottom Layer "GND_L02_P017" (solid, pour order 17): 383.629,143.218 383.616,143.205 354.711,114.3 336.626,114.3 336.626,113.767 323.164,100.305 293.827,100.305 313.207,119.685 313.207,125.959 310.769,128.397 310.769,138.913 308.712,138.913 308.712,126.848 310.769,124.79 310.769,122.606 310.769,122.58 310.769,107.01 218.338,107.01 202.819,91.491 176.759,91.491 176.657,91.389 176.657,88.798 204.064,88.798 215.57,100.305 323.164,100.305 326.949,100.305 338.633,111.989 372.618,111.989 403.657,143.027 403.657,167.386 484.657,167.386 484.657,149.225 484.657,45.695 176.936,45.695 176.657,45.771 58.293,45.771 58.293,111.455 152.171,111.455 152.171,167.386 391.795,167.386 391.795,151.384
GND on Bottom Layer "GND_L02_P018" (solid, pour order 18): 308.855,115.605 308.855,118.685 309.194,119.024 313.309,119.024 313.309,116.18 312.75,115.621 310.769,115.621 310.769,94.767 288.257,94.767 288.054,94.564 273.101,94.564 273.101,97.18 271.043,99.238 278.816,107.01 300.359,107.01
no net on Bottom Solder "NONET_L02_P021" (solid): 254.483,154.153 254.533,154.153 260.299,154.153 260.299,144.456 254.467,144.456
no net on Bottom Solder "NONET_L02_P021" (solid, pour order 21): 262.174,296.901 262.225,296.901 267.991,296.901 267.991,287.204 262.159,287.204
no net on Top Solder "NONET_L01_P022" (solid): 254.56,153.285 260.402,153.285 260.402,144.09 254.56,144.09

## Silkscreen, mask and mechanical layers (free items; w line width, h text height)
Top Overlay:
  rectangle: 346.431,164.059 471.221,195.478
  rectangle: 210.541,163.982 335.331,195.402
  rectangle: 69.85,163.982 194.64,195.402
  text "+  -" at 73.046,49.093 h1
  text "+  -" at 83.256,49.093 h1
  text "GND" at 132.644,47.671 h1 r90
  text "PWR" at 137.724,47.671 h1 r90
  text "FAN" at 142.804,47.671 h1 r90
  text "GND" at 145.344,47.671 h1 r90
  text "GND" at 149.027,47.671 h1 r90
  text "GND" at 161.727,47.671 h1 r90
  text "ADC" at 159.263,47.493 h1 r90
  text "+12V" at 140.264,46.909 h1 r90
  text "GND" at 277.533,46.833 h1 r90
  text "PE" at 287.533,46.833 h1 r90
  text "LOAD" at 135.158,46.731 h1 r90
  text "GND" at 272.496,46.731 h1 r90
  text "GND" at 282.496,46.731 h1 r90
  text "FDB_1" at 151.578,46.198 h1 r90
  text "FAN_1" at 156.658,46.198 h1 r90
  text "+12V" at 267.543,46.198 h1 r90
  text "FDB_2" at 154.042,46.147 h1 r90
  text "+18V" at 262.387,46.096 h1 r90
  text "NTC" at 74.189,46.071 h1
  text "FAN" at 84.755,45.995 h1
Top Solder:
  lines w5: 257.024,150.025 257.024,150.741
  lines w6: 257.481,146.568 257.481,141.017 275.134,123.364 280.748,123.364
  lines w9: 312.191,68.047 312.191,86.868 321.31,95.987 373.405,95.987 386.105,95.987 418.719,128.6 418.719,151.689 431.419,164.389 431.419,166.192
Bottom Solder:
  lines w6: 229.972,166.573 229.972,161.544 239.598,151.918 256.768,151.918 ; 237.663,309.321 237.663,304.292 247.29,294.665 264.46,294.665 ; 257.302,150.665 257.302,166.827 ; 264.994,293.413 264.994,309.575 ; 288.234,123.612 306.903,123.612 ; 294.355,225.187 313.024,225.187 ; 305.785,124.984 307.03,123.739 ; 311.907,226.559 313.151,225.314
  lines w7: 470.312,153.308 475.956,153.308 480.949,148.316 480.949,107.555 476.848,103.454 471.449,103.454
  lines w9: 302.26,72.771 302.26,63.932 309.829,56.363 332.029,56.363 336.76,61.094 388.061,61.094 ; 322.25,67.666 322.25,89.078 340.563,107.391 357.734,107.391 398.526,148.184 398.526,166.167 ; 337.515,72.847 337.515,61.9 337.558,61.857 ; 387.731,166.345 387.731,181.991 392.862,187.122 417.517,187.122 420.446,184.193 420.446,165.811 433.172,153.086 470.179,153.086 ; 388.112,72.847 388.112,61.145 388.061,61.094 ; 398.247,61.392 398.247,72.898 ; 433.832,67.513 433.832,72.974 ; 443.992,72.822 443.992,67.361 434.061,67.361 427.838,61.138 427.749,61.138 388.105,61.138 388.061,61.094
  lines w10: 393.065,123.673 433.781,123.673 453.111,123.673 464.21,123.673 470.002,123.673 470.002,113.817 ; 394.512,126.946 400.023,126.946 ; 403.15,123.849 403.15,128.751 ; 433.551,123.953 433.551,129.464 ; 443.711,123.902 443.711,129.414
Mechanical 1:
  lines w0.254: 0,40.564 426.415,40.564 426.415,190.297 0,190.297 0,40.564
Route Tool Path:
  lines w2: 72.593,146.126 72.593,140.134 113.995,140.081 ; 75.209,126.081 113.995,126.081 ; 75.209,133.081 109.296,133.096 ; 177.825,90.043 203.403,90.043 218.897,105.537 273.634,105.537 ; 309.778,136.601 309.778,127.432 311.912,125.298 311.912,120.091 ; 326.352,101.486 337.998,113.132 355.371,113.132 392.913,150.673 392.913,166.014 ; 371.932,113.055 401.65,142.799

## Dimensions
426.415,40.564 to 58.293,35.916 on Top Overlay
484.708,195.402 to 426.415,40.564 on Top Overlay

## Text inside footprints (layer, text, board x,y; h text height)
C8: Top Overlay "-" at 218.109,111.125 h3.81 r90; Top Overlay "+" at 217.983,134.874 h3.81 r90
C12: Top Overlay "+" at 256.184,135.179 h3.81 r90; Top Overlay "-" at 256.311,111.43 h3.81 r90
CN3: Top Overlay "-" at 475.488,109.043 h3.81; Top Overlay "+" at 475.488,101.803 h3.81